# KiCad board raw.kicad_pcb (continued)
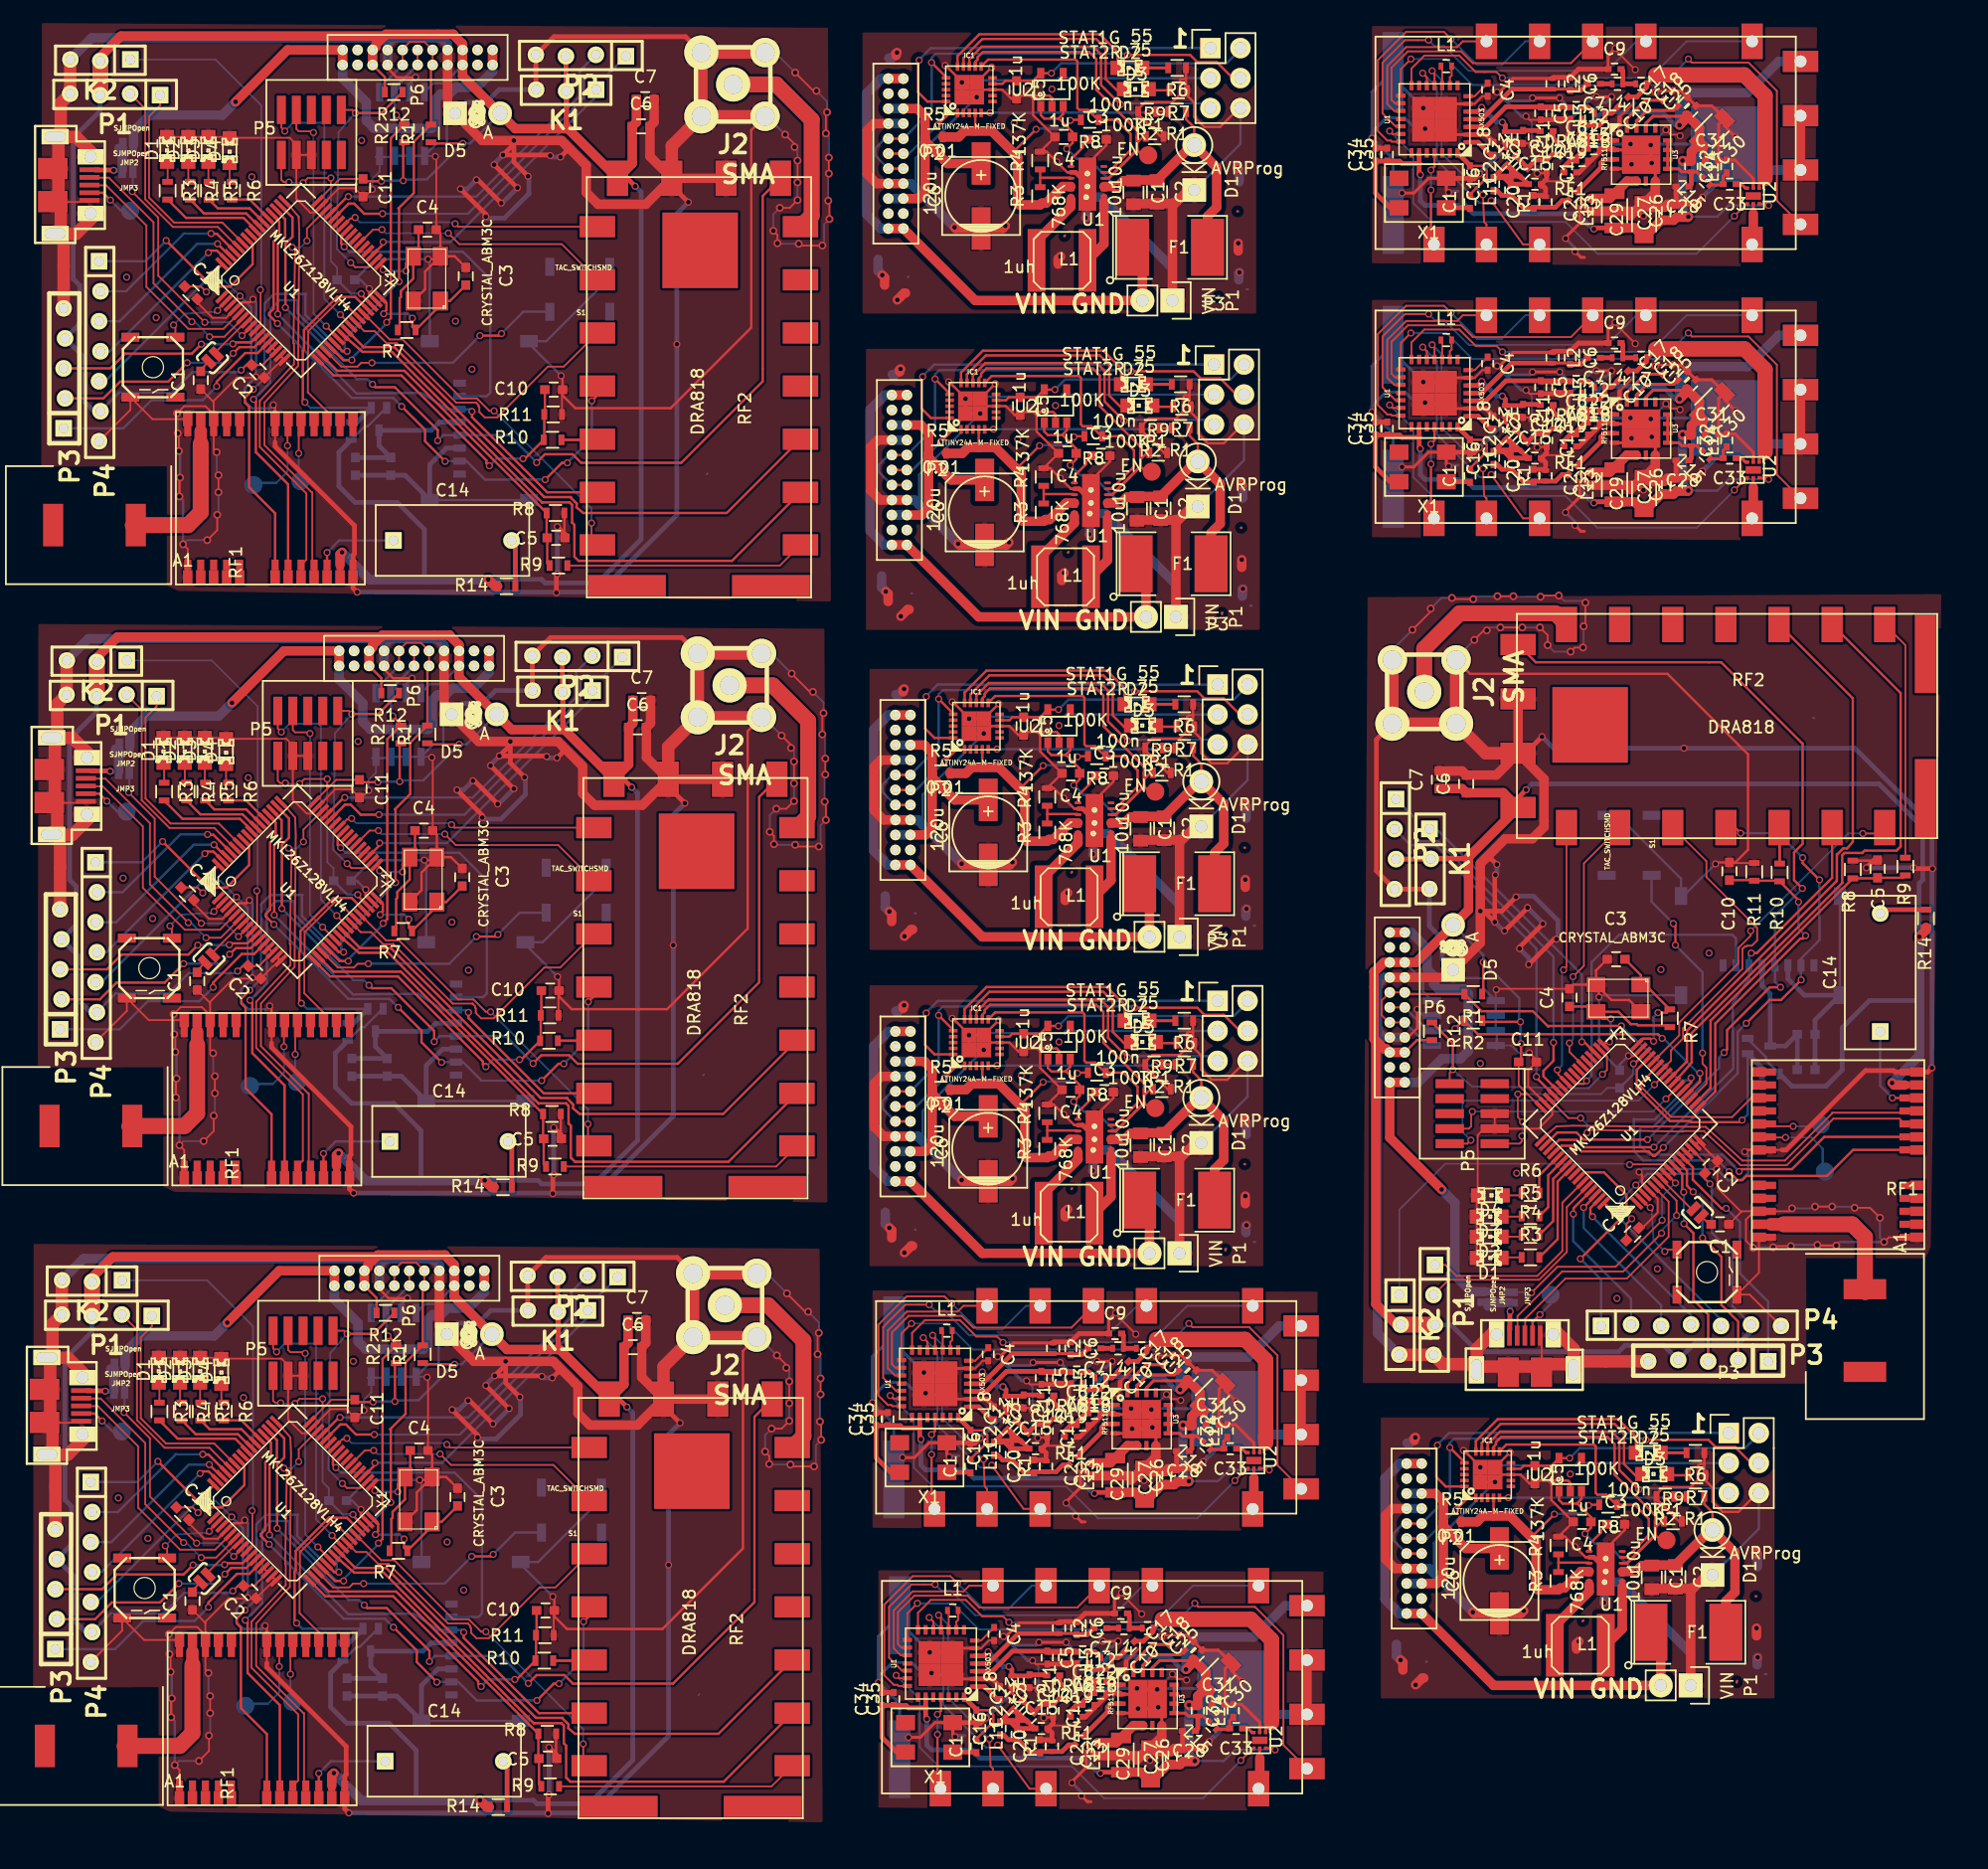
[diagram p0: board, top side]
## Routing (per net, layer and track width the routed paths; a pad name or vN(x,y) marks a point on that pad's centre or on a via; arc(x,y) is an arc through that point) (continued)
(no net): length 43
  Top w0.2: 130.12,16.75 130.07,16.7 ; 86.82,53.35 86.78,53.3 ; 86.82,80.15 86.78,80.1 ; 86.53,107.25 86.47,107.2 ; 86.22,134.05 86.18,134 ; 144.72,18.8 144.78,18.8 ; 101.43,55.4 101.47,55.4 ; 101.43,82.2 101.47,82.2 ; 101.12,109.3 101.18,109.3 ; 100.82,136.1 100.88,136.1 ; 99.82,48.1 99.82,48.2 ; 96.12,62.45 96.07,62.4 ; 95.82,116.35 95.78,116.3 ; 139.42,25.85 139.38,25.8 ; 96.12,89.25 96.07,89.2 ; 99.82,74.9 99.82,75 ; 143.12,11.5 143.12,11.6 ; 95.53,143.15 95.47,143.1 ; 99.53,102 99.53,102.1 ; 99.22,128.8 99.22,128.9
  Top w0.8: v1(115.9,32.25) 115.82,32.18 115.82,32 ; v1(72.6,68.85) 72.53,68.78 72.53,68.6 ; v1(72.6,95.65) 72.53,95.58 72.53,95.4 ; v1(72.3,122.75) 72.22,122.68 72.22,122.5 ; v1(72,149.55) 71.93,149.48 71.93,149.3 ; v1(114.65,13.4) 114.85,13.2 114.85,12.55 ; v1(71.35,50) 71.55,49.8 71.55,49.15 ; v1(71.35,76.8) 71.55,76.6 71.55,75.95 ; v1(71.05,103.9) 71.25,103.7 71.25,103.05 ; v1(70.75,130.7) 70.95,130.5 70.95,129.85 ; v1(115.92,11.3) 116.5,11.88 116.62,11.88 ; v1(72.62,47.9) 73.2,48.48 73.32,48.48 ; v1(72.62,74.7) 73.2,75.28 73.32,75.28 ; v1(72.32,101.8) 72.9,102.38 73.03,102.38 ; v1(72.03,128.6) 72.6,129.18 72.72,129.18 ; v1(129.75,14.98) 129.55,14.78 129.55,14.33 ; v1(86.45,51.58) 86.25,51.38 86.25,50.93 ; v1(86.45,78.38) 86.25,78.18 86.25,77.73 ; v1(86.15,105.48) 85.95,105.28 85.95,104.83 ; v1(85.85,132.28) 85.65,132.08 85.65,131.62 ; v1(144.78,22.43) 144.75,22.45 144.75,22.53 ; v1(101.47,59.03) 101.45,59.05 101.45,59.13 ; v1(101.47,85.83) 101.45,85.85 101.45,85.93 ; v1(101.18,112.93) 101.15,112.95 101.15,113.03 ; v1(100.88,139.73) 100.85,139.75 100.85,139.83 ; 101.2,105.95 v1(101.2,106.6) ; 144.8,15.45 v1(144.8,16.1) ; 101.5,52.05 v1(101.5,52.7) ; 101.5,78.85 v1(101.5,79.5) ; 100.9,132.75 v1(100.9,133.4)
  Bottom w0.152: 125.9,38.45 126.05,38.3 ; 0.48,34.2 0.33,34.05 ; 0.88,86.7 0.73,86.55 ; 1.18,137.6 1.03,137.45 ; 55.88,113.83 55.95,113.9 ; 55.57,62.93 55.65,63 ; 55.18,10.43 55.25,10.5 ; 149.68,93.15 149.6,93.23
  Bottom w0.2: 143.12,11.6 143.17,11.65 ; 99.82,48.2 99.88,48.25 ; 99.82,75 99.88,75.05 ; 99.53,102.1 99.57,102.15 ; 99.22,128.9 99.28,128.95 ; 116.82,13.25 116.88,13.25 ; 102.32,75.6 102.22,75.6 ; 72.93,130.55 72.97,130.55 ; 101.72,129.5 101.62,129.5 ; 145.62,12.2 145.53,12.2 ; 102.32,48.8 102.22,48.8 ; 73.22,103.75 73.28,103.75 ; 73.53,49.85 73.57,49.85 ; 102.03,102.7 101.93,102.7 ; 73.53,76.65 73.57,76.65
  Bottom w0.8: v1(115.9,32.25) 115.42,31.78 115.2,31.78 ; v1(72.6,68.85) 72.12,68.38 71.9,68.38 ; v1(72.6,95.65) 72.12,95.18 71.9,95.18 ; v1(72.3,122.75) 71.82,122.28 71.6,122.28 ; v1(72,149.55) 71.53,149.08 71.3,149.08 ; v1(114.65,13.4) 114.3,13.75 114.3,14.73 ; v1(71.35,50) 71,50.35 71,51.33 ; v1(71.35,76.8) 71,77.15 71,78.13 ; v1(71.05,103.9) 70.7,104.25 70.7,105.23 ; v1(70.75,130.7) 70.4,131.05 70.4,132.03 ; v1(144.9,13.62) 144.85,13.58 144.85,13 ; v1(101.6,50.23) 101.55,50.18 101.55,49.6 ; v1(101.6,77.03) 101.55,76.98 101.55,76.4 ; v1(101.3,104.13) 101.25,104.08 101.25,103.5 ; v1(101,130.93) 100.95,130.88 100.95,130.3 ; v1(144.78,22.43) 144.88,22.33 144.88,21.3 ; v1(101.47,59.03) 101.57,58.93 101.57,57.9 ; v1(101.47,85.83) 101.57,85.73 101.57,84.7 ; v1(101.18,112.93) 101.28,112.83 101.28,111.8 ; v1(100.88,139.73) 100.97,139.62 100.97,138.6
  vias: v1(6.05,27.12) v1(6.45,79.63) v1(6.75,130.53) v1(8.55,23.7) v1(8.95,76.2) v1(9.25,127.1) v1(16.65,35.62) v1(17.05,88.13) v1(17.35,139.03) v1(25.95,38.7) v1(26.35,91.2) v1(26.65,142.1) v1(33.9,23.4) v1(34.3,75.9) v1(34.6,126.8) v1(35.3,19.33) v1(35.7,71.83) v1(36,122.73) v1(81.93,143.6) v1(82.22,116.8) v1(82.53,89.7) v1(82.53,62.9) v1(85.12,146.45) v1(85.43,119.65) v1(85.72,92.55) v1(85.72,65.75) v1(121.4,63.93) v1(124.48,54.63) v1(125.82,26.3) v1(129.03,29.15) v1(132.98,44.03) v1(136.4,46.53) v1(136.7,71.88) v1(140.78,73.28)
/AF_IN: length 37.5
  Top w0.16: RF1#7.18 117.47,134.7 ; RF1#5.18 75.18,27.6 ; RF1#6.18 75.68,3.9 ; RF1#8.18 117.47,111.5
  Top w0.2: v1(117.22,114.7) 117.22,111.6 117.47,111.35 RF1#8.18 ; v1(117.22,137.9) 117.22,134.8 117.47,134.55 RF1#7.18 ; v1(75.43,7.1) 75.43,4 75.68,3.75 RF1#6.18 ; v1(74.93,30.8) 74.93,27.7 75.18,27.45 RF1#5.18 ; v1(117.22,116.4) 117.53,116.7 U1#13.25 ; v1(117.22,139.6) 117.53,139.9 U1#12.25 ; v1(75.43,8.8) 75.72,9.1 U1#11.25 ; v1(74.93,32.5) 75.22,32.8 U1#10.25
  Bottom w0.2: v1(117.22,114.7) v1(117.22,116.4) ; v1(117.22,137.9) v1(117.22,139.6) ; v1(75.43,7.1) v1(75.43,8.8) ; v1(74.93,30.8) v1(74.93,32.5)
/AF_OUT: length 103.2
  Top w0.16: v1(118.92,127.5) 118.32,128.1 115.12,128.1 112.72,125.7 112.72,119.7 113.53,118.9 113.82,118.9 113.92,118.8 U1#13.21 ; v1(118.92,150.7) 118.32,151.3 115.12,151.3 112.72,148.9 112.72,142.9 113.53,142.1 113.82,142.1 113.92,142 U1#12.21 ; v1(77.12,19.9) 76.53,20.5 73.32,20.5 70.93,18.1 70.93,12.1 71.72,11.3 72.03,11.3 72.12,11.2 U1#11.21 ; v1(76.62,43.6) 76.03,44.2 72.82,44.2 70.43,41.8 70.43,35.8 71.22,35 71.53,35 71.62,34.9 U1#10.21
  Bottom w0.16: v1(118.92,127.5) 121.12,125.3 123.22,125.3 125.22,127.3 RF1#8.3 125.62,127.3 ; v1(118.92,150.7) 121.12,148.5 123.22,148.5 125.22,150.5 RF1#7.3 125.62,150.5 ; v1(77.12,19.9) 79.32,17.7 81.43,17.7 83.43,19.7 RF1#6.3 83.82,19.7 ; v1(76.62,43.6) 78.82,41.4 80.93,41.4 82.93,43.4 RF1#5.3 83.32,43.4
/BattIn: length 231.9
  Top w0.8: F1#5.1 136.69,14.92 P1#5.2 122.53,11.25 P2#5.22 P2#5.21 ; F1#4.1 93.38,51.52 P1#4.2 79.22,47.85 P2#4.22 P2#4.21 ; F1#3.1 93.38,78.32 P1#3.2 79.22,74.65 P2#3.22 P2#3.21 ; F1#2.1 93.09,105.42 P1#2.2 78.93,101.75 P2#2.22 P2#2.21 ; 91.95,133.05 92.78,132.22 P1.2 78.62,128.55 P2.22 P2.21 ; P2#2.1 P2#2.2 ; P2.1 P2.2 ; P2#5.1 P2#5.2 ; P2#4.1 P2#4.2 ; P2#3.1 P2#3.2
  Bottom w0.8: P2#5.22 114.53,17.34 113.32,18.55 113.32,28.8 114.56,30.04 P2#5.1 ; P2#4.22 71.24,53.94 70.03,55.15 70.03,65.4 71.27,66.64 P2#4.1 ; P2#3.22 71.24,80.74 70.03,81.95 70.03,92.2 71.27,93.44 P2#3.1 ; P2#2.22 70.94,107.84 69.72,109.05 69.72,119.3 70.97,120.54 P2#2.1 ; P2.22 70.63,134.64 69.43,135.85 69.43,146.1 70.66,147.34 P2.1
/CLK: length 359
  Top w0.16: v1(139.03,125.8) 139.32,125.5 144.12,125.5 146.53,123.1 146.53,113.8 RF1#8.11 ; v1(139.03,149) 139.32,148.7 144.12,148.7 146.53,146.3 146.53,137 RF1#7.11 ; v1(97.22,18.2) 97.53,17.9 102.32,17.9 104.72,15.5 104.72,6.2 RF1#6.11 ; v1(96.72,41.9) 97.03,41.6 101.82,41.6 104.22,39.2 104.22,29.9 RF1#5.11 ; v1(115.53,125.8) 114.67,124.95 U1#13.15 ; v1(115.53,149) 114.67,148.15 U1#12.15 ; v1(73.72,18.2) 72.87,17.35 U1#11.15 ; v1(73.22,41.9) 72.37,41.05 U1#10.15
  Top w0.2: v1(76.03,89.5) 77.06,90.53 IC1#3.1 ; v1(75.72,116.6) 76.76,117.63 IC1#2.1 ; v1(75.43,143.4) 76.46,144.43 IC1.1 ; v1(119.32,26.1) 120.36,27.13 IC1#5.1 ; v1(76.03,62.7) 77.06,63.73 IC1#4.1 ; P2#2.11 P2#2.12 ; P2#4.11 P2#4.12 ; P3#4.3 142.45,30.12 ; P2#3.11 P2#3.12 ; P3.3 98.55,147.43 ; P3#5.3 99.15,66.73 ; P2.11 P2.12 ; P2#5.11 P2#5.12 ; P3#3.3 99.15,93.53 ; 98.85,120.59 98.85,120.63
  Bottom w0.16: v1(139.03,125.8) 136.82,123.6 120.72,123.6 118.53,125.8 v1(115.53,125.8) ; v1(139.03,149) 136.82,146.8 120.72,146.8 118.53,149 v1(115.53,149) ; v1(97.22,18.2) 95.03,16 78.93,16 76.72,18.2 v1(73.72,18.2) ; v1(96.72,41.9) 94.53,39.7 78.43,39.7 76.22,41.9 v1(73.22,41.9)
  Bottom w0.2: P2#4.12 73.62,60.29 v1(76.03,62.7) 76.03,62.85 79.68,66.5 86.12,66.5 86.31,66.69 P3#5.3 ; P2#3.12 73.62,87.09 v1(76.03,89.5) 76.03,89.65 79.68,93.3 86.12,93.3 86.31,93.49 P3#3.3 ; P2#2.12 73.31,114.19 v1(75.72,116.6) 75.72,116.75 79.38,120.4 85.82,120.4 86.01,120.59 98.85,120.59 ; P2.12 73.02,140.99 v1(75.43,143.4) 75.43,143.55 79.07,147.2 85.53,147.2 85.71,147.39 P3.3 ; P2#5.12 116.91,23.69 v1(119.32,26.1) 119.32,26.25 122.97,29.9 129.42,29.9 129.61,30.09 P3#4.3
/DRAAFIn: length 116.4
  Top w0.2: U1#6.18 24.58,122.6 30.27,122.6 R8#6.1 42.33,108.5 C5#6.1 42.38,106.3 R9#6.2 ; U1#9.18 140.9,61.86 140.9,67.55 R8#9.1 155,79.6 C5#9.1 157.2,79.65 R9#9.2 ; U1#8.18 23.88,19.2 29.58,19.2 R8#8.1 41.62,5.1 C5#8.1 41.68,2.9 R9#8.2 ; U1#7.18 24.28,71.7 29.98,71.7 R8#7.1 42.02,57.6 C5#7.1 42.08,55.4 R9#7.2
/DRAAFOut: length 113.3
  Top w0.2: C10#4.1 144.55,79.45 R11#4.1 146.7,79.4 R10#4.1 148.35,77.75 v1(148.35,77.6) ; C10#3.1 41.48,15.55 R11#3.1 41.43,13.4 R10#3.1 39.77,11.75 v1(39.62,11.75) ; C10#2.1 41.88,68.05 R11#2.1 41.83,65.9 R10#2.1 40.18,64.25 v1(40.02,64.25) ; C10.1 42.18,118.95 R11.1 42.12,116.8 R10.1 40.48,115.15 v1(40.33,115.15) ; v1(148.95,74.75) 148.75,74.75 148.75,74.5 148.5,74.5 141.3,67.3 141.3,61.55 U1#9.17 ; v1(36.77,11.15) 36.77,11.35 36.52,11.35 36.52,11.6 29.33,18.8 23.57,18.8 U1#8.17 ; v1(37.18,63.65) 37.18,63.85 36.93,63.85 36.93,64.1 29.73,71.3 23.97,71.3 U1#7.17 ; v1(37.48,114.55) 37.48,114.75 37.23,114.75 37.23,115 30.02,122.2 24.27,122.2 U1#6.17
  Bottom w0.2: v1(148.35,77.6) 148.35,75.35 v1(148.95,74.75) ; v1(39.62,11.75) 37.38,11.75 v1(36.77,11.15) ; v1(40.02,64.25) 37.77,64.25 v1(37.18,63.65) ; v1(40.33,115.15) 38.08,115.15 v1(37.48,114.55)
/DRAHLCSel: length 88.7
  Top w0.152: v1(128.45,71.85) 128.7,72.1 RF2#4.7 ; v1(33.88,31.65) 34.12,31.4 RF2#3.7 ; v1(34.27,84.15) 34.52,83.9 RF2#2.7 ; v1(34.58,135.05) 34.83,134.8 RF2.7 ; v1(127.93,63.38) 128,63.3 128,63 U1#9.42 ; v1(25.4,32.18) 25.33,32.1 25.02,32.1 U1#8.42 ; v1(25.8,84.68) 25.73,84.6 25.42,84.6 U1#7.42 ; v1(26.1,135.58) 26.02,135.5 25.72,135.5 U1#6.42
  Bottom w0.152: v1(128.45,71.85) 128.33,71.73 128.33,63.78 v1(127.93,63.38) ; v1(33.88,31.65) 33.75,31.78 25.8,31.78 v1(25.4,32.18) ; v1(34.27,84.15) 34.15,84.28 26.2,84.28 v1(25.8,84.68) ; v1(34.58,135.05) 34.45,135.18 26.5,135.18 v1(26.1,135.58)
/DRAPD: length 89.5
  Top w0.152: v1(128.95,65.65) 128.95,64.9 130.07,63.79 U1#9.38 ; v1(27.68,31.15) 26.93,31.15 25.81,30.03 U1#8.38 ; v1(28.08,83.65) 27.33,83.65 26.21,82.53 U1#7.38 ; v1(28.38,134.55) 27.62,134.55 26.51,133.43 U1#6.38 ; v1(129.25,71.28) 130.18,72.2 130.18,80.88 RF2#4.6 ; v1(33.3,30.85) 34.23,29.93 42.9,29.93 RF2#3.6 ; v1(33.7,83.35) 34.62,82.43 43.3,82.43 RF2#2.6 ; v1(34,134.25) 34.93,133.33 43.6,133.33 RF2.6
  Bottom w0.152: v1(128.95,65.65) 129.25,65.95 v1(129.25,71.28) ; v1(27.68,31.15) 27.98,30.85 v1(33.3,30.85) ; v1(28.08,83.65) 28.38,83.35 v1(33.7,83.35) ; v1(28.38,134.55) 28.68,134.25 v1(34,134.25)
/DRAPttIRQ: length 108.6
  Top w0.152: 143.62,73.64 143.82,73.84 143.94,73.84 144,73.9 144.4,73.9 144.85,74.35 144.85,75.4 140.55,79.7 140.55,81.05 RF2#4.5 ; 143.62,73.64 143.6,73.61 ; 143.62,73.64 143.6,73.62 143.6,71.95 138.56,66.9 138.58,66.89 138.58,66.05 137.55,65.03 137.55,64.16 U1#9.26 ; 35.66,16.48 35.86,16.28 35.86,16.17 35.93,16.1 35.93,15.7 36.38,15.25 37.43,15.25 41.73,19.55 43.08,19.55 RF2#3.5 ; 35.66,16.48 35.63,16.51 ; 35.66,16.48 35.64,16.5 33.97,16.5 28.93,21.55 28.91,21.53 28.08,21.53 27.05,22.55 26.18,22.55 U1#8.26 ; 36.06,68.98 36.26,68.78 36.26,68.67 36.33,68.6 36.33,68.2 36.77,67.75 37.83,67.75 42.12,72.05 43.48,72.05 RF2#2.5 ; 36.06,68.98 36.03,69.01 ; 36.06,68.98 36.04,69 34.37,69 29.33,74.05 29.31,74.03 28.48,74.03 27.45,75.05 26.58,75.05 U1#7.26 ; 36.36,119.88 36.56,119.68 36.56,119.57 36.62,119.5 36.62,119.1 37.08,118.65 38.12,118.65 42.43,122.95 43.77,122.95 RF2.5 ; 36.36,119.88 36.34,119.9 34.67,119.9 29.62,124.95 29.61,124.93 28.77,124.93 27.75,125.95 26.88,125.95 U1#6.26 ; 36.36,119.88 36.33,119.91
/DRARx: length 190.6
  Top w0.2: RF2#4.16 152.95,94.85 152.95,82.7 152.47,82.13 152.16,82.15 151.66,81.65 151.6,81.65 151.6,79.4 138.95,66.75 138.9,66.75 138.9,64.1 U1#9.24 ; RF2#3.16 56.88,7.15 44.73,7.15 44.15,7.63 44.18,7.95 43.68,8.45 43.68,8.5 41.43,8.5 28.77,21.15 28.77,21.2 26.12,21.2 U1#8.24 ; RF2#2.16 57.27,59.65 45.12,59.65 44.55,60.13 44.58,60.45 44.08,60.95 44.08,61 41.83,61 29.18,73.65 29.18,73.7 26.52,73.7 U1#7.24 ; RF2.16 57.57,110.55 45.43,110.55 44.85,111.03 44.88,111.35 44.38,111.85 44.38,111.9 42.12,111.9 29.48,124.55 29.48,124.6 26.82,124.6 U1#6.24
/DRASq: length 117.7
  Top w0.152: v1(153.8,83.4) 155.15,83.4 RF2#4.1 ; v1(45.43,6.3) 45.43,4.95 RF2#3.1 ; v1(45.83,58.8) 45.83,57.45 RF2#2.1 ; v1(46.12,109.7) 46.12,108.35 RF2.1 ; v1(144.3,75.15) 144.3,74.75 143.25,73.7 143.25,72.4 138.25,67.4 138.25,66.3 136.08,64.13 U1#9.28 ; v1(37.18,15.8) 36.77,15.8 35.73,16.85 34.43,16.85 29.43,21.85 28.33,21.85 26.15,24.02 U1#8.28 ; v1(37.58,68.3) 37.18,68.3 36.12,69.35 34.83,69.35 29.83,74.35 28.73,74.35 26.55,76.52 U1#7.28 ; v1(37.88,119.2) 37.48,119.2 36.43,120.25 35.12,120.25 30.12,125.25 29.02,125.25 26.85,127.42 U1#6.28
  Bottom w0.152: v1(153.8,83.4) 152.55,83.4 v1(144.3,75.15) ; v1(45.43,6.3) 45.43,7.55 v1(37.18,15.8) ; v1(45.83,58.8) 45.83,60.05 v1(37.58,68.3) ; v1(46.12,109.7) 46.12,110.95 v1(37.88,119.2)
/DRATx: length 206.3
  Top w0.2: 153.78,81.78 153.95,81.95 156.65,81.95 157,82.3 157,95.3 RF2#4.17 ; 153.78,81.78 153.75,81.75 ; 153.78,81.78 153.76,81.76 152.26,81.76 152.05,81.55 152.06,79.25 152.08,79.23 ; 43.8,6.33 43.98,6.15 43.98,3.45 44.33,3.1 57.32,3.1 RF2#3.17 ; 43.8,6.33 43.77,6.35 ; 43.8,6.33 43.78,6.35 43.78,7.85 43.58,8.05 41.27,8.05 41.25,8.03 28.52,20.8 26.02,20.8 U1#8.23 ; 44.2,58.83 44.38,58.65 44.38,55.95 44.73,55.6 57.73,55.6 RF2#2.17 ; 44.2,58.83 44.18,58.85 ; 44.2,58.83 44.18,58.85 44.18,60.35 43.98,60.55 41.67,60.55 41.65,60.53 28.93,73.3 26.43,73.3 U1#7.23 ; 44.5,109.73 44.68,109.55 44.68,106.85 45.02,106.5 58.02,106.5 RF2.17 ; 44.5,109.73 44.48,109.75 ; 44.5,109.73 44.48,109.75 44.48,111.25 44.27,111.45 41.97,111.45 41.95,111.43 29.23,124.2 26.73,124.2 U1#6.23 ; 152.08,79.23 152.08,79.23 ; 152.08,79.23 139.3,66.5 139.3,64 U1#9.23
/Enable: length 132.7
  Top w0.2: IC1#5.12 122.53,31.45 122.72,31.65 122.72,31.85 123.17,32.3 132.17,32.3 132.78,31.7 132.78,29.1 136.22,25.65 136.22,25.05 ; IC1#4.12 79.23,68.05 79.43,68.25 79.43,68.45 79.88,68.9 88.88,68.9 89.47,68.3 89.47,65.7 92.93,62.25 92.93,61.65 ; IC1#3.12 79.23,94.85 79.43,95.05 79.43,95.25 79.88,95.7 88.88,95.7 89.47,95.1 89.47,92.5 92.93,89.05 92.93,88.45 ; IC1#2.12 78.93,121.95 79.12,122.15 79.12,122.35 79.57,122.8 88.57,122.8 89.18,122.2 89.18,119.6 92.62,116.15 92.62,115.55 ; IC1.12 78.63,148.75 78.82,148.95 78.82,149.15 79.28,149.6 88.28,149.6 88.88,149 88.88,146.4 92.32,142.95 92.32,142.35 ; 136.22,24 136.67,23.55 TP1#5.1 ; 92.93,60.6 93.38,60.15 TP1#4.1 ; 92.93,87.4 93.38,86.95 TP1.1 ; 92.62,114.5 93.07,114.05 TP1#3.1 ; 92.32,141.3 92.78,140.85 TP1#2.1 ; 136.22,24.6 136.78,25.15 R9#5.1 ; 92.93,61.2 93.47,61.75 R9#4.1 ; 92.93,88 93.47,88.55 R9.1 ; 92.62,115.1 93.18,115.65 R9#3.1 ; 92.32,141.9 92.88,142.45 R9#2.1
  Top w0.25: 136.22,25.2 136.22,24 133.82,21.6 U1#5.12 ; 92.93,61.8 92.93,60.6 90.53,58.2 U1#4.12 ; 92.93,88.6 92.93,87.4 90.53,85 U1.12 ; 92.62,115.7 92.62,114.5 90.22,112.1 U1#3.12 ; 92.32,142.5 92.32,141.3 89.93,138.9 U1#2.12
/externalADC1: length 128
  Top w0.152: v1(134.05,55.35) 134.08,55.38 136.93,55.38 137.39,54.91 U1#9.9 ; v1(17.38,26.05) 17.4,26.03 17.4,23.18 16.93,22.71 U1#8.9 ; v1(17.77,78.55) 17.8,78.53 17.8,75.68 17.33,75.21 U1#7.9 ; v1(18.08,129.45) 18.1,129.43 18.1,126.58 17.63,126.11 U1#6.9
  Bottom w0.152: v1(134.05,55.35) 133.98,55.43 118.43,55.43 114.54,51.54 K2#4.1 ; v1(17.38,26.05) 17.45,26.12 17.45,41.68 13.56,45.56 K2#3.1 ; v1(17.77,78.55) 17.85,78.63 17.85,94.18 13.96,98.06 K2#2.1 ; v1(18.08,129.45) 18.15,129.53 18.15,145.08 14.26,148.96 K2.1
/externalADC2: length 73.7
  Top w0.152: 138.33,54.83 137.89,55.27 U1#9.10 ; 16.85,21.78 17.29,22.21 U1#8.10 ; 17.25,74.28 17.69,74.71 U1#7.10 ; 17.55,125.18 17.99,125.61 U1#6.10
  Top w0.2: v1(138.63,53.03) 138.5,53.15 138.5,54.55 137.85,55.21 U1#9.10 ; v1(15.05,21.48) 15.18,21.6 16.58,21.6 17.23,22.25 U1#8.10 ; v1(15.45,73.98) 15.58,74.1 16.98,74.1 17.63,74.75 U1#7.10 ; v1(15.75,124.88) 15.88,125 17.27,125 17.93,125.65 U1#6.10 ; v1(138.65,50.35) 139.45,49.55 139.45,43.9 140.7,42.65 P3#9.3 ; v1(12.38,21.45) 11.58,20.65 5.93,20.65 4.68,19.4 P3#8.3 ; v1(12.78,73.95) 11.98,73.15 6.33,73.15 5.08,71.9 P3#7.3 ; v1(13.08,124.85) 12.28,124.05 6.62,124.05 5.38,122.8 P3#6.3
  Bottom w0.2: v1(138.63,53.03) 138.65,53 v1(138.65,50.35) ; v1(15.05,21.48) 15.03,21.45 v1(12.38,21.45) ; v1(15.45,73.98) 15.43,73.95 v1(12.78,73.95) ; v1(15.75,124.88) 15.73,124.85 v1(13.08,124.85)
/externalADC3: length 77.6
  Top w0.152: U1#7.11 18,74.4 ; U1#6.11 18.3,125.3 ; U1#9.11 138.2,55.58 ; U1#8.11 17.6,21.9
  Top w0.2: 142.95,39.11 P3#9.2 143.24,42.06 141.83,43.48 141.83,47.55 v1(140.23,49.15) ; 1.13,17.15 P3#8.2 4.09,16.86 5.5,18.28 9.58,18.28 v1(11.18,19.88) ; 1.53,69.65 P3#7.2 4.49,69.36 5.9,70.78 9.98,70.78 v1(11.58,72.38) ; 1.83,120.55 P3#6.2 4.79,120.26 6.2,121.68 10.28,121.68 v1(11.88,123.28) ; v1(139.43,53.05) 138.9,53.58 138.9,54.85 138.2,55.56 U1#9.11 138.26,55.62 ; v1(15.08,20.68) 15.6,21.2 16.88,21.2 17.58,21.9 U1#8.11 17.64,21.84 ; v1(15.48,73.18) 16,73.7 17.27,73.7 17.98,74.4 U1#7.11 18.04,74.34 ; v1(15.77,124.08) 16.3,124.6 17.58,124.6 18.28,125.3 U1#6.11 18.34,125.24
  Bottom w0.2: v1(139.43,53.05) 140.23,52.25 v1(140.23,49.15) ; v1(15.08,20.68) 14.28,19.88 v1(11.18,19.88) ; v1(15.48,73.18) 14.68,72.38 v1(11.58,72.38) ; v1(15.77,124.08) 14.98,123.28 v1(11.88,123.28)
/externalADC4: length 84.7
  Top w0.152: 146.44,38.69 P3#9.1 ; 0.71,13.66 P3#8.1 ; 1.11,66.16 P3#7.1 ; 1.41,117.06 P3#6.1
  Top w0.2: U1#9.12 139.4,55.13 139.4,54.08 141.83,51.65 v1(142.23,51.65) ; U1#8.12 17.15,20.7 16.1,20.7 13.68,18.28 v1(13.68,17.88) ; U1#7.12 17.55,73.2 16.5,73.2 14.08,70.78 v1(14.08,70.38) ; U1#6.12 17.85,124.1 16.8,124.1 14.38,121.68 v1(14.38,121.28)
  Bottom w0.2: v1(142.23,51.65) 143.4,50.48 143.4,46.13 145.78,43.75 P3#9.1 ; v1(13.68,17.88) 12.5,16.7 8.15,16.7 5.77,14.32 P3#8.1 ; v1(14.08,70.38) 12.9,69.2 8.55,69.2 6.17,66.82 P3#7.1 ; v1(14.38,121.28) 13.2,120.1 8.85,120.1 6.47,117.72 P3#6.1
/externalI2C1SCL: length 127.8
  Top w0.2: v1(127.6,65.7) 127.6,64.15 126.75,63.3 126.75,62.83 U1#9.44 ; v1(27.73,32.5) 26.18,32.5 25.33,33.35 24.85,33.35 U1#8.44 ; v1(28.12,85) 26.58,85 25.73,85.85 25.25,85.85 U1#7.44 ; v1(28.43,135.9) 26.88,135.9 26.02,136.75 25.55,136.75 U1#6.44
  Bottom w0.2: v1(127.6,65.7) 127.6,72.95 117.8,82.75 116.2,82.75 115.85,83.25 115.85,84.73 P2#9.1 ; v1(27.73,32.5) 34.98,32.5 44.77,42.3 44.77,43.9 45.27,44.25 46.75,44.25 P2#8.1 ; v1(28.12,85) 35.38,85 45.18,94.8 45.18,96.4 45.68,96.75 47.15,96.75 P2#7.1 ; v1(28.43,135.9) 35.68,135.9 45.48,145.7 45.48,147.3 45.98,147.65 47.45,147.65 P2#6.1
/externalI2C1SDA: length 117.3
  Top w0.2: v1(126.15,62.8) 126.15,62.72 U1#9.45 ; v1(24.83,33.95) 24.74,33.95 U1#8.45 ; v1(25.23,86.45) 25.14,86.45 U1#7.45 ; v1(25.52,137.35) 25.44,137.35 U1#6.45
  Bottom w0.2: v1(126.15,62.8) 126.15,73.65 118.6,81.2 118.6,81.45 117.66,82.4 117.66,82.4 115.52,82.4 P2#9.2 ; v1(24.83,33.95) 35.68,33.95 43.23,41.5 43.48,41.5 44.42,42.45 44.42,42.45 44.42,44.59 P2#8.2 ; v1(25.23,86.45) 36.08,86.45 43.62,94 43.88,94 44.82,94.95 44.82,94.95 44.82,97.09 P2#7.2 ; v1(25.52,137.35) 36.38,137.35 43.93,144.9 44.18,144.9 45.12,145.85 45.12,145.85 45.12,147.99 P2#6.2
/externalPWMOut: length 101.1
  Top w0.2: v1(130,65.75) 130.19,65.75 U1#9.35 ; v1(27.77,30.1) 27.77,29.91 U1#8.35 ; v1(28.18,82.6) 28.18,82.41 U1#7.35 ; v1(28.48,133.5) 28.48,133.31 U1#6.35
  Bottom w0.2: v1(117.09,83.79) 117.71,83.79 117.71,83.74 129.25,72.2 130,71.45 v1(130,65.75) ; v1(45.82,43.01) 45.82,42.39 45.77,42.39 33.48,30.1 v1(27.77,30.1) ; v1(46.22,95.51) 46.22,94.89 46.16,94.89 33.88,82.6 v1(28.18,82.6) ; v1(46.52,146.41) 46.52,145.79 46.47,145.79 34.18,133.5 v1(28.48,133.5)
/externalSPI1CS1: length 74.1
  Top w0.2: v1(129.88,47.38) 133.78,51.28 133.78,52.8 131.88,54.7 130.18,54.7 129.72,54.24 U1#9.58 ; v1(9.4,30.23) 13.3,26.33 14.83,26.33 16.73,28.23 16.73,29.93 16.26,30.39 U1#8.58 ; v1(9.8,82.73) 13.7,78.83 15.23,78.83 17.12,80.73 17.12,82.43 16.66,82.89 U1#7.58 ; v1(10.1,133.62) 14,129.73 15.52,129.73 17.43,131.62 17.43,133.33 16.96,133.79 U1#6.58
  Bottom w0.2: v1(129.88,47.38) 131.63,45.62 P4#4.1 ; v1(9.4,30.23) 7.65,28.47 P4#3.1 ; v1(9.8,82.73) 8.05,80.97 P4#2.1 ; v1(10.1,133.62) 8.35,131.87 P4.1
/externalSPI1MISO: length 58.6
  Top w0.2: 131.84,52 U1#9.64 131.92,52.09 v1(132.73,51.28) ; 14.02,28.27 U1#8.64 14.11,28.18 v1(13.3,27.38) ; 14.42,80.77 U1#7.64 14.51,80.68 v1(13.7,79.88) ; 14.72,131.67 U1#6.64 14.81,131.58 v1(14,130.78)
  Bottom w0.2: v1(132.73,51.28) 141.79,42.21 P4#4.5 ; v1(13.3,27.38) 4.24,18.31 P4#3.5 ; v1(13.7,79.88) 4.64,70.81 P4#2.5 ; v1(14,130.78) 4.94,121.71 P4.5
/externalSPI1MOSI: length 57.9
  Top w0.2: v1(130.9,50.95) 130.73,51.13 130.73,51.68 U1#9.63 ; v1(12.98,29.2) 13.15,29.38 13.7,29.38 U1#8.63 ; v1(13.38,81.7) 13.55,81.88 14.1,81.88 U1#7.63 ; v1(13.68,132.6) 13.85,132.78 14.4,132.78 U1#6.63
  Bottom w0.2: v1(130.9,50.95) 139.25,42.6 P4#4.4 ; v1(12.98,29.2) 4.62,20.85 P4#3.4 ; v1(13.38,81.7) 5.03,73.35 P4#2.4 ; v1(13.68,132.6) 5.33,124.25 P4.4
/externalSPI1PCS0: length 55.9
  Top w0.2: v1(129.28,51.18) 129.3,51.2 129.3,51.67 U1#9.61 ; v1(13.2,30.83) 13.23,30.8 13.69,30.8 U1#8.61 ; v1(13.6,83.33) 13.62,83.3 14.09,83.3 U1#7.61 ; v1(13.9,134.23) 13.93,134.2 14.39,134.2 U1#6.61
  Bottom w0.2: v1(129.28,51.18) 129.28,48.88 134.17,43.98 P4#4.2 ; v1(13.2,30.83) 10.9,30.83 6.01,25.93 P4#3.2 ; v1(13.6,83.33) 11.3,83.33 6.41,78.43 P4#2.2 ; v1(13.9,134.23) 11.6,134.23 6.71,129.33 P4.2
/externalSPI1SCK: length 56.9
  Top w0.2: v1(130.15,51.73) 131.13,52.71 U1#9.62 ; v1(13.75,29.95) 14.73,28.97 U1#8.62 ; v1(14.15,82.45) 15.13,81.47 U1#7.62 ; v1(14.45,133.35) 15.43,132.37 U1#6.62
  Bottom w0.2: v1(130.15,51.73) 130.15,50 136.71,43.44 P4#4.3 ; v1(13.75,29.95) 12.03,29.95 5.46,23.39 P4#3.3 ; v1(14.15,82.45) 12.43,82.45 5.87,75.89 P4#2.3 ; v1(14.45,133.35) 12.73,133.35 6.17,126.79 P4.3
/externalUART2RX: length 74.3
  Top w0.152: U1#9.59 128.35,52.14 128.35,48.05 126.23,45.93 119.38,45.93 118.44,46.86 P1#9.1 ; U1#8.59 14.16,31.75 10.08,31.75 7.95,33.88 7.95,40.73 8.89,41.66 P1#8.1 ; U1#7.59 14.56,84.25 10.48,84.25 8.35,86.38 8.35,93.23 9.29,94.16 P1#7.1 ; U1#6.59 14.86,135.15 10.78,135.15 8.65,137.28 8.65,144.12 9.59,145.06 P1#6.1